# Altium PCB stm32F405RGT6 minisystem.PcbDoc
Units mil, origin at the board's own origin, x right, y up, seen from the top; angles counter-clockwise.
Board outline 1023.62 x 1377.95 mil, 4 copper layers (Top Layer, Power, GND, Bottom Layer), stack 23.756 mil thick; 31 components, 63 nets, 195 pads, 95 vias.
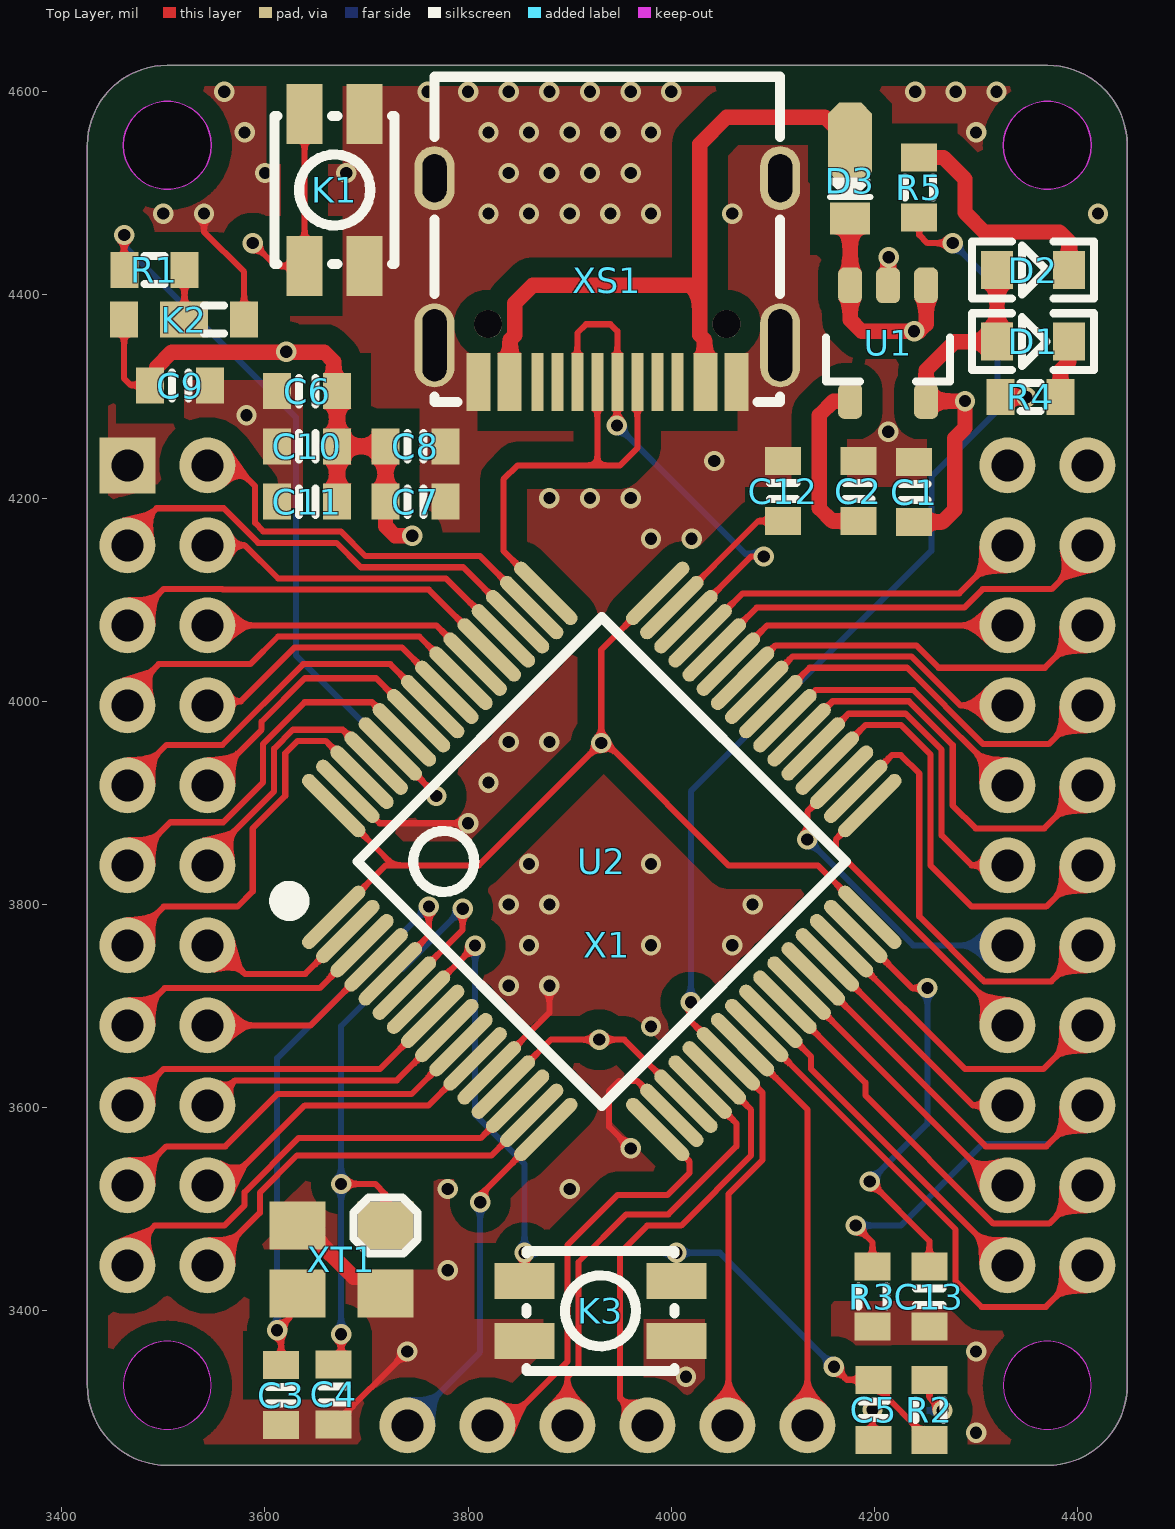
[diagram p0: Top Layer view]
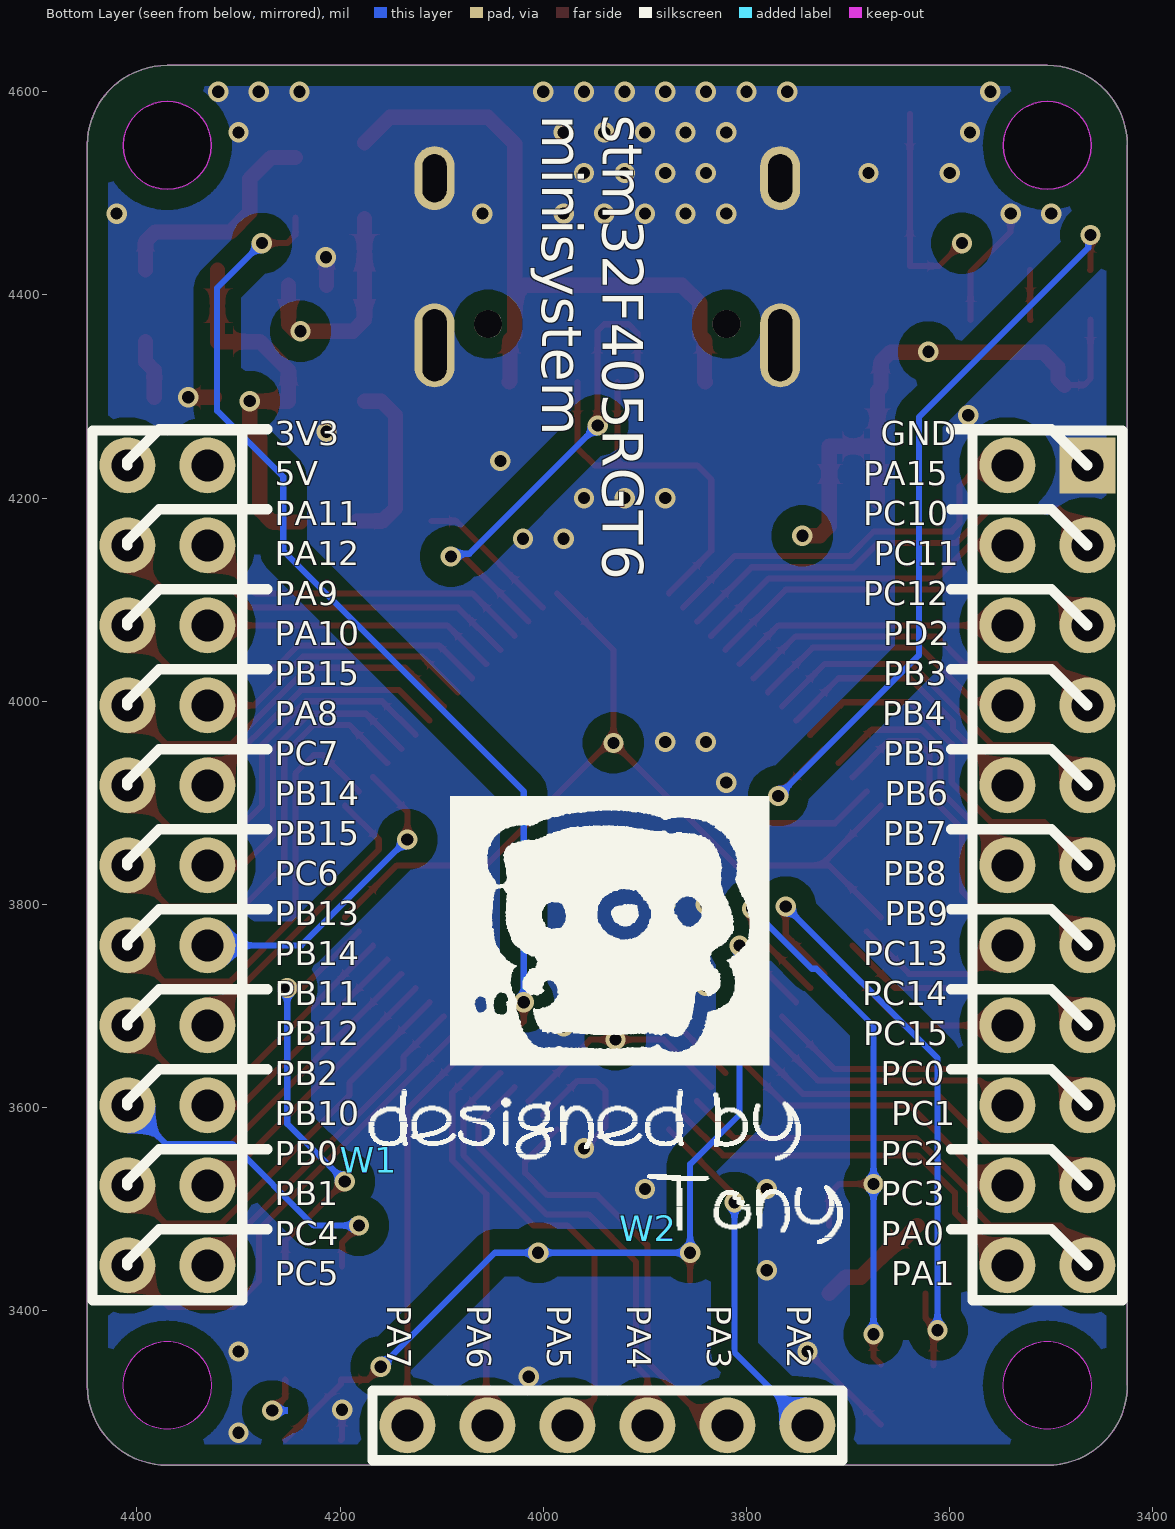
[diagram p1: Bottom Layer view, seen from below]
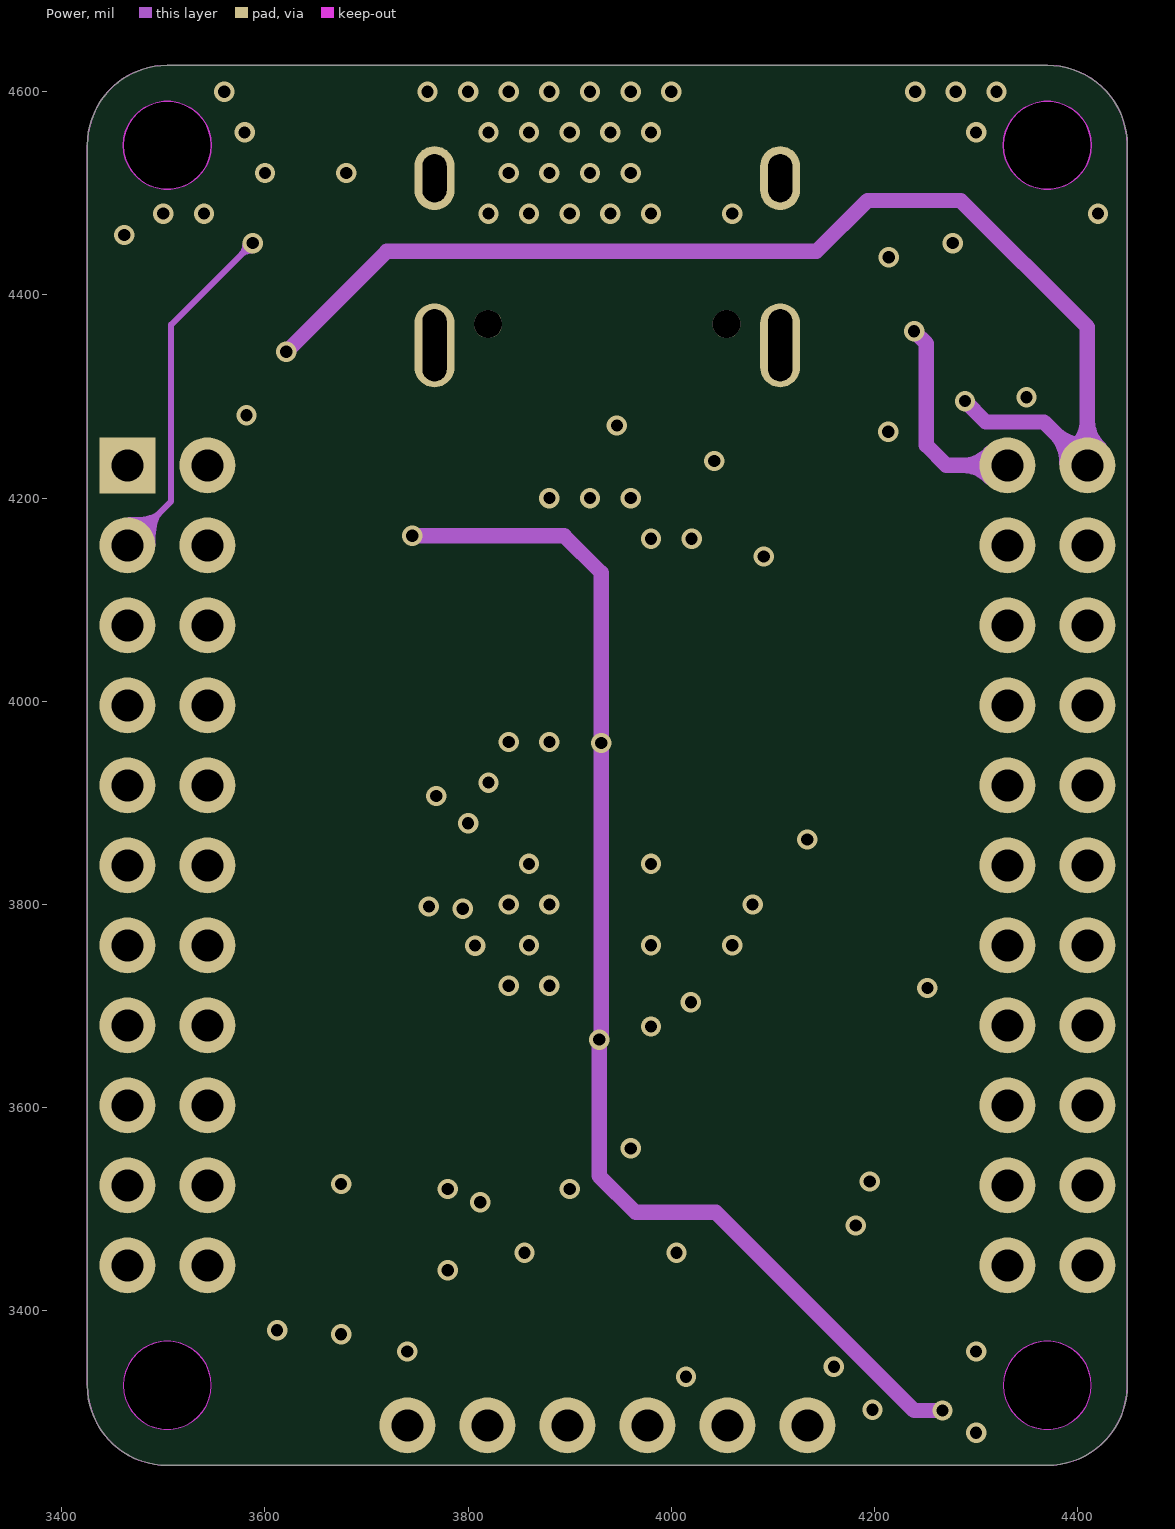
[diagram p2: Power]
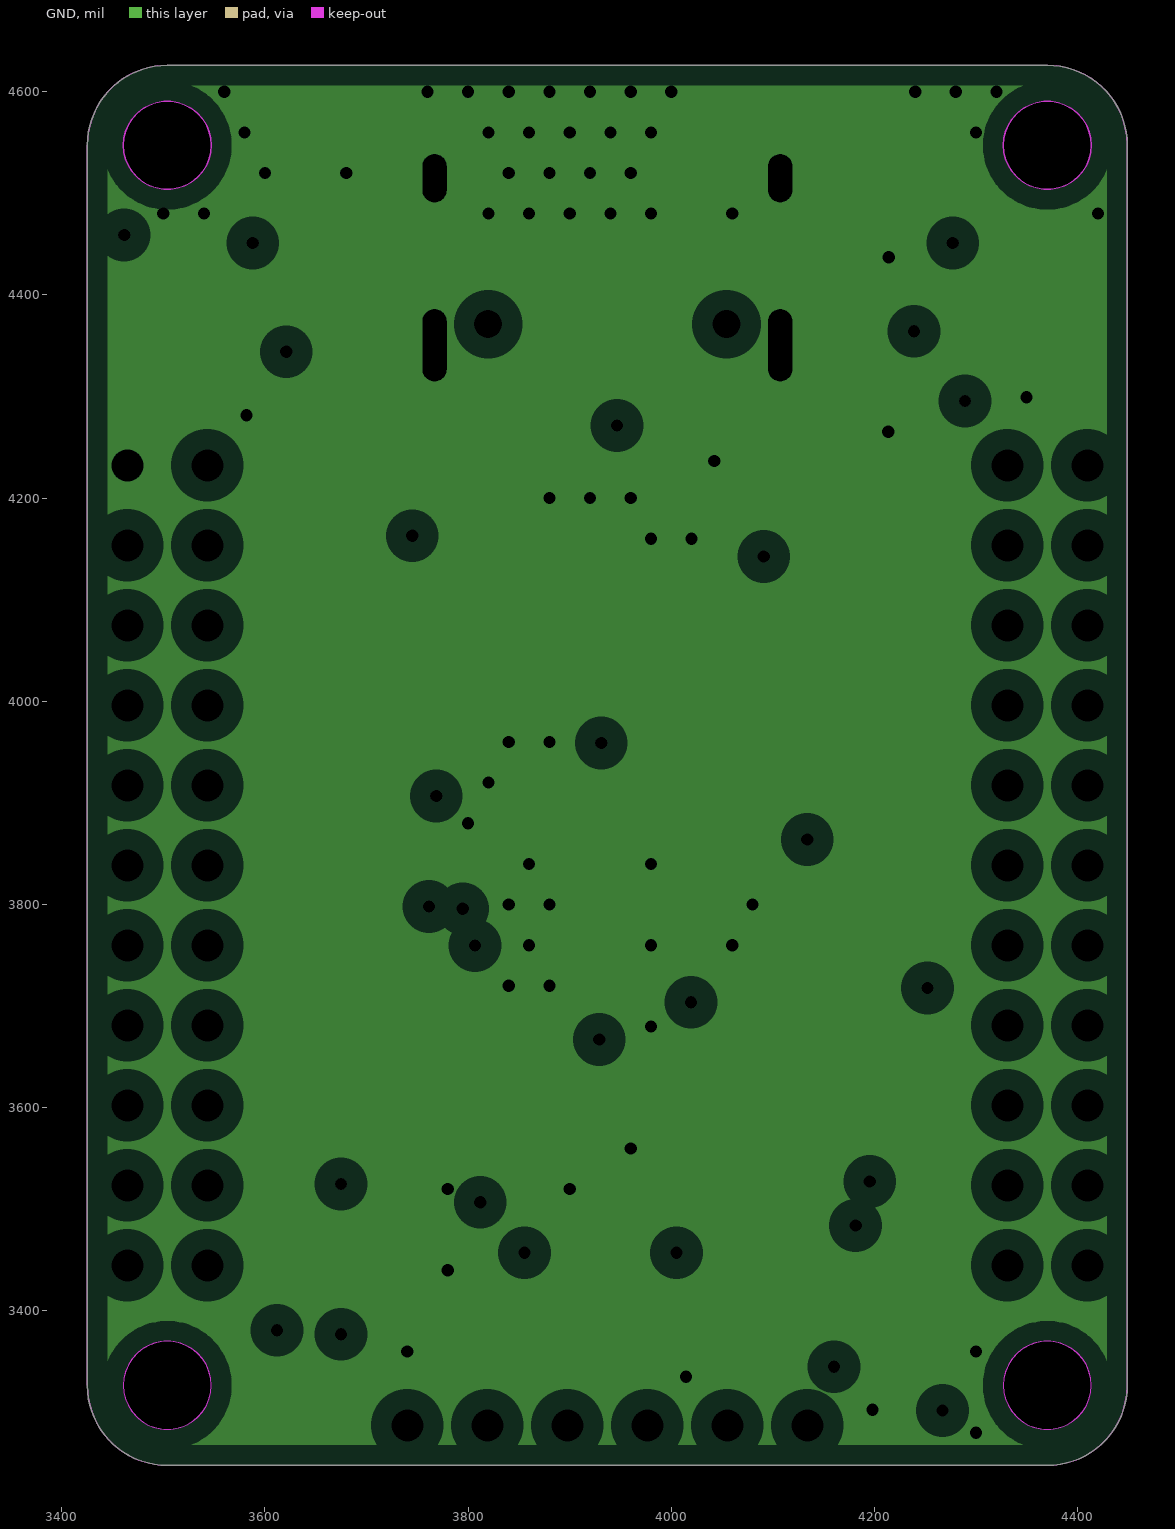
[diagram p3: GND, clearances drawn from the general rule]

## Layer stack, top to bottom
Top Solder: solder mask 0.4, Solder Resist, Dk 3.5
Top Layer: signal copper 1.4
Dielectric 2: prepreg 2.8, PP-006, Dk 4.1
Power: signal copper 1.378
Dielectric 1: dielectric 12.6, FR-4, Dk 4.8
GND: plane copper 1.378, net GND
Dielectric 3: prepreg 2.8, PP-006, Dk 4.1
Bottom Layer: signal copper 1.4
Bottom Solder: solder mask 0.4, Solder Resist, Dk 3.5

## Board outline
3425.2,3326.77 ccw(c3503.94,3326.77) 3503.94,3248.03 4370.08,3248.03 ccw(c4370.08,3326.77) 4448.82,3326.77 4448.82,4547.24 ccw(c4370.08,4547.24) 4370.08,4625.98 3503.94,4625.98 ccw(c3503.94,4547.24) 3425.2,4547.24
cut-out: 4370.08,4503.94 cw(c4370.08,4547.24) 4326.77,4547.24 cw(c4370.08,4547.24) 4370.08,4590.55 cw(c4370.08,4547.24) 4413.39,4547.24 cw(c4370.08,4547.24)
cut-out: 4326.77,3326.77 ccw(c4370.08,3326.77) 4370.08,3283.46 ccw(c4370.08,3326.77) 4413.39,3326.77 ccw(c4370.08,3326.77) 4370.08,3370.08 ccw(c4370.08,3326.77)
cut-out: 3460.63,3326.77 ccw(c3503.94,3326.77) 3503.94,3283.46 ccw(c3503.94,3326.77) 3547.24,3326.77 ccw(c3503.94,3326.77) 3503.94,3370.08 ccw(c3503.94,3326.77)
cut-out: 3503.94,4503.94 cw(c3503.94,4547.24) 3460.63,4547.24 cw(c3503.94,4547.24) 3503.94,4590.55 cw(c3503.94,4547.24) 3547.24,4547.24 cw(c3503.94,4547.24)

## Design rules (kind name [scope] priority, off if disabled: settings)
Clearance Clearance_2 [InNamedPolygon('GND_L04_P001')] p1: gap=20 ignorepadtopadclearanceinfootprint=TRUE
Clearance Clearance_1 [InNamedPolygon('GND_L01_P000')] p2: gap=20 ignorepadtopadclearanceinfootprint=TRUE
Clearance [All] p3: gap=5 ignorepadtopadclearanceinfootprint=TRUE
ComponentClearance [All] p1: gap=-10 collisioncheckmode=3 verticalgap=10 showdistances=FALSE
PlaneClearance [All] p1: clearance=20
PlaneConnect [All] p1: planeconnectstyle=Direct reliefexpansion=20 reliefentries=4 reliefconductorwidth=10 reliefairgap=10
PolygonConnect [All] p1: connectstyle=Direct reliefconductorwidth=10 reliefentries=4 polygonreliefangle="90 Angle" airgapwidth=10
RoutingVias [All] p1: holewidth=12 width=16 viastyle="Through Hole" minholewidth=10 minwidth=16 maxholewidth=28 maxwidth=50
SolderMaskExpansion [All] p1: expansion=4 istentingtop=FALSE
Width [All] p1: maxlimit=50 minlimit=6 preferedwidth=6
27 further rules are at their usual default settings.

## Components (designator, comment, footprint, x,y, rotation, side; value= is the part's Value field where it differs from the comment)
C1 "106" CAP_0603 4254,4206 r270 top
C2 "106" CAP_0603 4199,4207 r270 top
C3 "22p" CAP_0603 3601,3317 r90 top
C4 "22p" CAP_0603 3652.7,3317.76 r90 top
C5 "104" CAP_0603 4214,3302.71 r270 top
C6 "104" CAP_0603 3641.58,4290.37 r180 top
C7 "104" CAP_0603 3748.16,4211.59 r0 top
C8 "104" CAP_0603 3748.16,4265.98 r0 top
C9 "104" CAP_0603 3516.57,4325.84 r0 top
C10 "104" CAP_0603 3641.58,4235.98 r180 top
C11 "104" CAP_0603 3641.58,4181.59 r180 top
C12 "2u2" CAP_0603 4095,4207 r90 top
C13 "2u2" CAP_0603 4269,3414 r270 top
D1 "led" led0603 4358.06,4349.08 r0 top
D2 "led" led0603 4358.06,4419.53 r0 top
D3 "ss14" SOD-323 4176.03,4475 r90 top
K1 "TS1185/EC" TS-1185EC-X-X-X 3667.7,4503.94 r90 top
K2 "Boot0选择-默认GND" "Switch 1-2 0603" 3579.57,4375.6 r180 top
K3 "TS1185/EC" TS-1185EC-X-X-X 3931,3401 r0 top
R1 "10k" RES_0603 3491.3,4409.45 r180 top
R2 "10k" RES_0603 4239,3302.71 r90 top
R3 "10k" RES_0603 4213,3414 r270 top
R4 "3k" RES_0603 4353.51,4314.37 r0 top
R5 "3k" RES_0603 4229,4505.6 r90 top
U1 "ME6211 3V3" SOT23-5 4213.44,4350.39 r270 top
U2 "STM32F405RGT6" LQFP64 3693.79,3841.87 r45 top
W1 "设计于" "designed by（430-70）" 4171.58,3548.44 r180 bottom
W2 "Tony" Tony_2(200-70) 3896.5,3481.27 r180 bottom
X1 "STM32F405RGT6 V1_1 引脚" "STM32F405RGT6 V1_1引脚" 3937.01,3937.01 r0 top locked
XS1 "Type-C" TypeC-304-16BCP 3766.93,4350.39 r180 top locked
XT1 "8M" SMD3225_4p 3718.63,3484 r180 top

## Footprints (in the part's own frame and the unit in brackets; to place one, negate y for a bottom-side part, rotate by r counter-clockwise, add the part's x,y. Pads: shape width x height; smd on the part's side, far side on the other; paste and mask are expansions set on the pad)
CAP_0603 [mm]
  rect 0.7x0.9 smd: 1(-0.75,-0.381) 2(0.75,-0.381)
  silkscreen extent -0.2,-0.71 0.2,-0.05, body extent -0.8,-0.78 0.8,0.02, height 0.8
"designed by（430-70）" [mil]
  silkscreen extent 0,0 425,69
led0603 [mm]
  rect 0.8x0.95 smd: 1(-0.95,0.125) 2(0.85,0.125)
  silkscreen extent -1.57,-0.59 1.47,0.84, body extent -1.02,-0.4 1,0.67, height 0.5
LQFP64 [mm]
  oval 2.1x0.35 smd: 1(-1.448,-0.51) 2(-1.448,-1.01) 3(-1.448,-1.51) 4(-1.448,-2.01) 5(-1.448,-2.51) 6(-1.448,-3.01) 7(-1.448,-3.51) 8(-1.448,-4.01) 9(-1.448,-4.51) 10(-1.448,-5.01) 11(-1.448,-5.51) 12(-1.448,-6.01) 13(-1.448,-6.51) 14(-1.448,-7.01) 15(-1.448,-7.51) 16(-1.448,-8.01) 33(10.006,-8.01) 34(10.006,-7.51) 35(10.006,-7.01) 36(10.006,-6.51) 37(10.006,-6.01) 38(10.006,-5.51) 39(10.006,-5.01) 40(10.006,-4.51) 41(10.006,-4.01) 42(10.006,-3.51) 43(10.006,-3.01) 44(10.006,-2.51) 45(10.006,-2.01) 46(10.006,-1.51) 47(10.006,-1.01) 48(10.006,-0.51)
  oval 0.35x2.1 smd: 17(0.529,-9.987) 18(1.029,-9.987) 19(1.529,-9.987) 20(2.029,-9.987) 21(2.529,-9.987) 22(3.029,-9.987) 23(3.529,-9.987) 24(4.029,-9.987) 25(4.529,-9.987) 26(5.029,-9.987) 27(5.529,-9.987) 28(6.029,-9.987) 29(6.529,-9.987) 30(7.029,-9.987) 31(7.529,-9.987) 32(8.029,-9.987) 49(8.029,1.467) 50(7.529,1.467) 51(7.029,1.467) 52(6.529,1.467) 53(6.029,1.467) 54(5.529,1.467) 55(5.029,1.467) 56(4.529,1.467) 57(4.029,1.467) 58(3.529,1.467) 59(3.029,1.467) 60(2.529,1.467) 61(2.029,1.467) 62(1.529,1.467) 63(1.029,1.467) 64(0.529,1.467)
  silkscreen extent -2.19,-8.58 8.6,0.82, body extent -1.72,-10.26 10.28,1.74, height 1.45
RES_0603 [mm]
  rect 0.7x0.9 smd: 1(-0.75,-0.381) 2(0.75,-0.381)
  silkscreen extent -0.25,-0.73 0.25,-0.03, body extent -0.8,-0.78 0.8,0.02, height 0.45
SMD3225_4p [mm]
  rect 1.4x1.2 smd: 1(0,0) 2(2.2,0) 3(2.2,1.7) 4(0,1.7)
  round 0 smd: 1(0,0)
  silkscreen extent -0.8,-0.7 0.8,0.7, body extent -0.51,-0.41 2.69,2.09, height 0.81
SOD-323 [mm] "1.8x1.3X0.9mm（长宽高，不包括引脚）"
  oct 2x1.1 smd: 1(1.9,0)
  rect 0.8x1 smd: 2(0,0)
  silkscreen extent 0.55,-0.51 0.95,0.51, body extent -0.15,-0.67 2.5,0.62, height 1
SOT23-5 [mm] "SOT23, 3-Leads, Body 3.1x3.0mm (max), Pitch 0.95mm, IPC Medium Density"
  rrect50% 0.889x0.6 smd: 1(-1.5,0.95) 2(-1.5,0) 3(-1.5,-0.95) 4(1.396,-0.95) 5(1.396,0.95)
  silkscreen extent -0.2,-1.55 0.9,1.55, body extent -1.48,-1.45 1.32,1.45, height 1.2
"STM32F405RGT6 V1_1引脚" [mm] "PH2.0 版本"
  rect 1.4x1.4 hole 0.8: 1(-12,7.5)
  round 1.4 hole 0.8: 2(-10,7.5) 3(-12,5.5) 4(-10,5.5) 5(-12,3.5) 6(-10,3.5) 7(-12,1.5) 8(-10,1.5) 9(-12,-0.5) 10(-10,-0.5) 11(-12,-2.5) 12(-10,-2.5) 13(-12,-4.5) 14(-10,-4.5) 15(-12,-6.5) 16(-10,-6.5) 17(-12,-8.5) 18(-10,-8.5) 19(-12,-10.5) 20(-10,-10.5) 21(-12,-12.5) 22(-10,-12.5) 23(-5,-16.5) 24(-3,-16.5) 25(-1,-16.5) 26(1,-16.5) 27(3,-16.5) 28(5,-16.5) 29(12,-12.5) 30(10,-12.5) 31(12,-10.5) 32(10,-10.5) 33(12,-8.5) 34(10,-8.5) 35(12,-6.5) 36(10,-6.5) 37(12,-4.5) 38(10,-4.5) 39(12,-2.5) 40(10,-2.5) 41(12,-0.5) 42(10,-0.5) 43(12,1.5) 44(10,1.5) 45(12,3.5) 46(10,3.5) 47(12,5.5) 48(10,5.5) 49(12,7.5) 50(10,7.5)
  body extent -13,-17.5 13,8.5, height 1.8
"Switch 1-2 0603" [mm] "单刀双掷0603贴片选择开关"
  rect 0.7x0.9 smd: 1(0,0) 3(3,0)
  rect 1.2x0.9 smd: 2(1.5,0)
  silkscreen extent 0.5,-0.35 1,0.35, body extent -0.05,-0.4 1.55,0.4, height 0.45
Tony_2(200-70) [mil]
  silkscreen extent -1,-15 191,53
TS-1185EC-X-X-X [mm] "3*4*2 4PIN立贴按键"
  rect 1.5x0.9 smd: 1(-1.917,0.726) 1(1.883,0.726) 2(-1.917,-0.774) 2(1.883,-0.774)
  silkscreen extent -1.87,-1.52 1.83,1.48, body extent -2.36,-1.57 2.29,1.43, height 2
TypeC-304-16BCP [mm]
  oval 1x2.1 hole 0.6 slot 1.8 at 90 deg: 13(-8.64,0) 14(0,0)
  oval 1x1.6 hole 0.6 slot 1.2 at 90 deg: 15(-8.64,-4.18) 16(0,-4.18)
  rect 0.6x1.45 smd: A1B12(-7.545,0.915) A4B9(-6.77,0.915) B1A12(-1.1,0.915) B4A9(-1.87,0.915)
  rect 0.3x1.45 smd: A5(-5.57,0.914) A6(-4.57,0.915) A7(-4.07,0.915) A8(-3.07,0.915) B5(-2.57,0.915) B6(-3.57,0.915) B7(-5.07,0.915) B8(-6.07,0.915)
  round 0.7 hole 0.7 unplated: ""(-7.3,-0.53) ""(-1.34,-0.53)
  silkscreen extent -8.64,-6.71 0,1.42, body extent -8.77,-6.9 0.17,1, height 3.11

## Part data
C1 C2 C3 C4 C5 C6 C7 C8 C9 C10 C11 C12 C13: library part cap
D3: library part Diode
K1 K3: library part Button-LT-3040, "3*4*2 立贴轻触开关 2Pin/4Pin"
K2: library part "Switch 1-2", "单刀双掷1-2"
R1 R2 R3 R4 R5: library part Res
U1: library part ME6211, "LDO"
XS1: library part Type-C母口
XT1: library part XTAL-4P

## Via types
v1: diameter 20, hole 12, Top Layer to Bottom Layer, 95 vias

## Nets (pads, with @x,y where several pads share a name; then routed paths per layer and width w, separated by ;. In a path a pad name is that pad's centre, name@x,y a point inside that pad or via, vN(x,y) a via of type N, cw(c..) or ccw(c..) an arc to the next point about the centre after c; other vN are vias at no path point)
3v3: C1.2 C6.1 C7.1 C8.1 C9.1 C10.1 C11.1 D1.1 D2.1 K2.3 R2.2 U1.5 U2.1 U2.13 U2.19 U2.32 U2.48 U2.64 X1.49 | length 4559.8
  Top Layer w6: K2.3 3461.45,4317.62 3467.78,4311.3 3486.58,4311.3 C9.1 ; U2.1 3718.92,3838.58 3726.55,3838.58 ; U2.64 3726.55,3838.58 ; U2.13 3881.41,3667 v1(3929,3667) 3953.81,3667 U2.19 ; U2.48 3931,4050.66 v1(3931,3959) ; U2.32 4144.13,3838.58 4056.16,3838.58 3935.74,3959 v1(3931,3959) ; R2.2 4254,3314.83 v1(4266.87,3301.96) ; 3726.55,3838.58 3810.58,3838.58 v1(3931,3959)
  Top Layer w15: C9.1 3493.32,4317.12 3493.32,4328.73 3508.2,4343.61 3658.41,4343.61 3667.7,4334.32 3667.7,4308.78 C6.1 C10.1 ; C11.1 C10.1 ; v1(3745,4163) 3728,4163 3718.63,4172.37 C7.1 C8.1 C10.1 ; C1.2 4266.87,4176.47 4279.01,4188.62 4279.01,4259 4289,4268.99 v1(4289,4295.45) U1.5 4250.84,4325.84 4279.01,4354.01 D1.1 D2.1
  Power w15: v1(3621,4344) 3720,4443 4143,4443 4193,4493 4284.77,4493 4409.45,4368.32 X1.49 4366.73,4275 4309.45,4275 v1(4289,4295.45) ; v1(3745,4163) 3894.51,4163 3931,4126.51 v1(3931,3959) 3931,3669 v1(3929,3667) 3929,3533 3965,3497 4044,3497 4239.04,3301.96 v1(4266.87,3301.96)
BOOT0: R1.2 U2.60 | length 779.1
  Top Layer w6: v1(3461.46,4459) 3461.46,4424.76 R1.2 ; U2.60 3768.71,3907.77 v1(3768.71,3906.89)
  Bottom Layer w6: v1(3461.46,4459) 3463.67,4456.8 3463.67,4446.33 3630.42,4279.58 3630.42,4045.18 v1(3768.71,3906.89)
GND: C1.1 C2.1 C3.1 C4.1 C5.2 C6.2 C7.2 C8.2 C9.2 C10.2 C11.2 C12.2 C13.2 K1.2 K2.1 K3.2 R3.2 R4.1 U1.2 U2.12 U2.18 U2.63 X1.1 XS1.13 XS1.14 XS1.15 XS1.16 XS1.A1B12 XS1.B1A12 XT1.2 XT1.4 | length 807.3
  Top Layer w6: v1(3540,4480) 3540,4462.19 3579.57,4422.63 K2.1 ; C4.1 3668.23,3288.23 v1(3740,3360) ; U2.63 3712.97,3880 v1(3800,3880) ; U2.12 3880,3693.43 v1(3880,3720) ; v1(3960,3560) 3938.72,3581.28 3938.72,3616.48 3948.64,3626.41 3966.56,3626.41 U2.18 ; v1(4198,3302.71) 4198,3274.18 C5.2
  Top Layer w15: XT1.2 3648.13,3467.88 3652.54,3467.88 3687.22,3433.2 3702.5,3433.2 XT1.4 ; U1.2 4213.44,4436.44 v1(4214,4437) ; R4.1 v1(4349.57,4299.37)
  other v1: 4300,3280 4014.4,3335.22 4300,3360 3780,3440 3780,3520 3900,3520 3980,3680 3840,3720 3860,3760 3980,3760 4060,3760 3840,3800 3880,3800 4080,3800 3860,3840 3980,3840 3820,3920 3840,3960 3880,3960 3980,4160 4020,4160 3880,4200 3920,4200 3960,4200 4042.24,4236.53 4213.44,4265.38 3581.79,4281.53 3500,4480 3820,4480 3860,4480 3900,4480 3940,4480 3980,4480 4060,4480 4420,4480 3600,4520 3680,4520 3840,4520 3880,4520 3920,4520 3960,4520 3580,4560 3820,4560 3860,4560 3900,4560 3940,4560 3980,4560 4300,4560 3560,4600 3760,4600 3800,4600 3840,4600 3880,4600 3920,4600 3960,4600 4000,4600 4240,4600 4280,4600 4320,4600
NetC2_2: C2.2 U1.4 | length 171.3
  Top Layer w15: U1.4 4159.52,4295.45 4145.6,4281.53 4145.6,4190 4158.12,4177.47 C2.2
NetC3_2: C3.2 U2.5 XT1.3 | length 638.1
  Top Layer w6: C3.2 3616,3377 v1(3612,3381) 3624,3393 XT1.3@3624,3417.07 ; U2.5 3761.36,3769.66 v1(3761.36,3798)
  Bottom Layer w6: v1(3612,3381) 3612,3648.64 v1(3761.36,3798)
NetC4_2: C4.2 U2.6 XT1.1 | length 684.2
  Top Layer w6: C4.2 3675,3354.59 v1(3675,3377) ; v1(3675,3525) 3708.63,3525 3718.63,3515 XT1.1@3718.63,3484 ; U2.6 3794.65,3775.11 v1(3794.65,3795.85)
  Bottom Layer w6: v1(3675,3377) v1(3675,3525) 3675,3680.43 3731.37,3736.8 3735.59,3736.8 v1(3794.65,3795.85)
NetC5_1: C5.1 K3.1 R2.1 U2.7 | length 906.6
  Top Layer w6: U2.7 v1(3806.89,3759.52) ; K3.1@3855.53,3429.59 v1(3855.53,3457.26) ; v1@4159.52,3345.5 4172.77,3332.24 C5.1 4199,3328.18 R2.1
  Bottom Layer w6: v1(3806.89,3759.52) 3806.89,3593.11 3855.53,3544.47 v1(3855.53,3457.26) v1(4005.13,3457.26) 4047.74,3457.26 v1(4160,3345)
NetC12_1: C12.1 U2.47 | length 144.8
  Top Layer w6: U2.47 4085.65,4177.47 C12.1
NetC13_1: C13.1 U2.31 | length 415.6
  Top Layer w6: U2.31 4237.11,3717.76 v1(4252,3717.76) ; v1(4195.36,3527.44) 4254,3468.8 C13.1
  Bottom Layer w6: v1(4195.36,3527.44) 4252,3584.09 v1(4252,3717.76)
NetD1_2: D1.2 R4.2 | length 58.2
  Top Layer w15: R4.2 4383.03,4325.84 4391.52,4334.32 D1.2
NetD2_2: D2.2 R5.2 | length 229.1
  Top Layer w15: R5.2 4267.87,4535.13 4289,4514 4289,4481 4308,4462 4382,4462 4391.52,4452.48 D2.2
NetD3_1: D3.1 XS1.A4B9 XS1.B4A9 | length 678.4
  Top Layer w15: XS1.B4A9 3841.34,4315.16 3841.34,4355.76 3845.96,4360.38 3845.96,4391.88 3863.53,4409.45 4019.27,4409.45 4028.05,4400.66 ; XS1.A4B9 4032.76,4315.09 4032.76,4355.84 4028.05,4360.54 4028.05,4400.66 ; D3.1 4150.99,4574.85 4054.33,4574.85 4028.05,4548.57 4028.05,4400.66
NetK2_2: K2.2 R1.1 | length 49
  Top Layer w6: K2.2 3520.83,4375.92 R1.1
PA0: U2.14 X1.21 | length 465.9
  Top Layer w6: X1.21 3464.57,3457.26 3491.3,3484 3560,3484 3580,3504 3580,3517 3633,3570 3812.25,3570 U2.14
PA1: U2.15 X1.22 | length 392
  Top Layer w6: X1.22 3595,3496.57 3595,3516.44 3631.56,3553 3823.09,3553 U2.15
PA2: U2.16 X1.23 | length 347.6
  Top Layer w6: v1(3811.87,3507) 3811.87,3513.95 U2.16
  Bottom Layer w6: X1.23 3811.87,3359.12 v1(3811.87,3507)
PA3: U2.17 X1.24 | length 424.8
  Top Layer w6: X1.24 3834.99,3287.4 3897.64,3350.05 3897.64,3464.73 3946.85,3513.95 3995.95,3513.95 4018,3536 4018,3547.13 U2.17
PA4: U2.20 X1.25 | length 440.9
  Top Layer w6: X1.25 3897.64,3334.5 3908.64,3345.5 3908.64,3448.14 3955.5,3495 3996.98,3495 4063.98,3562 4063.98,3584.67 U2.20
PA5: U2.21 X1.26 | length 446.1
  Top Layer w6: X1.26 3949.56,3314.22 3949.56,3457.43 3976.13,3484 4009.6,3484 4078.6,3553 4078.6,3597.88 U2.21
PA6: R5.1 U2.22 X1.27 | length 1403.6
  Top Layer w6: v1(4019.27,3703.84) 4019.27,3685.06 U2.22 4089.6,3614.72 4089.6,3548.44 4056.16,3515 4056.16,3288.44 X1.27 ; R5.1 4244,4459 4252,4451 v1(4277,4451)
  Bottom Layer w6: v1(4019.27,3703.84) 4019.27,3911.27 4256,4148 4256,4221 4321,4286 4321,4407 v1(4277,4451)
PA7: U2.23 X1.28 | length 401.1
  Top Layer w6: U2.23 4133.86,3598.3 X1.28
PA8: U2.41 X1.44 | length 281.2
  Top Layer w6: U2.41 4119.21,4044 4236.56,4044 4284.5,3996.06 X1.44
PA9: U2.42 X1.45 | length 379.2
  Top Layer w6: U2.42 4102.38,4055 4241.11,4055 4263.11,4033 4367.65,4033 X1.45
PA10: U2.43 X1.46 | length 290.4
  Top Layer w6: U2.43 4094.34,4074.8 X1.46
PA11: U2.44 X1.47 | length 414.6
  Top Layer w6: U2.44 4084,4092.3 4288.3,4092.3 4306.36,4110.36 4374.34,4110.36 4409.45,4145.47 X1.47
PA12: U2.45 X1.48 | length 339.3
  Top Layer w6: U2.45 4070.08,4106.22 4283.39,4106.22 X1.48
PA15: U2.50 X1.2 | length 416.1
  Top Layer w6: X1.2@3543,4213 X1.2@3543,4230 ; X1.2@3543,4232 3570,4232 3590.27,4211.73 3590.27,4175.56 3598,4167.83 3598,4167 3675,4167 3699,4143 3811.87,4143 U2.50
PB0: U2.26 X1.31 | length 410.9
  Top Layer w6: U2.26 4190.93,3624.75 4190.93,3612.07 4317,3486 4371.83,3486 X1.31
PB1: U2.27 X1.32 | length 285.4
  Top Layer w6: U2.27 4319.89,3523.62 X1.32
PB2: R3.1 U2.28 X1.33 | length 681.1
  Top Layer w6: U2.28 4309.36,3562 4369.09,3562 X1.33 ; v1(4181.44,3484) 4198,3467.44 R3.1
  Bottom Layer w6: v1(4181.44,3484) 4225.87,3484 4305.87,3564 4371.09,3564 X1.33
PB3: U2.55 X1.7 | length 379.1
  Top Layer w6: X1.7 3464.57,4005.7 3495.49,4036.62 3585.71,4036.62 3612.89,4063.8 3751.87,4063.8 U2.55
PB4: U2.56 X1.8 | length 277.5
  Top Layer w6: X1.8 3547.33,4000.09 3576.35,4000.09 3629.07,4052.8 3735.04,4052.8 U2.56
PB5: U2.57 X1.9 | length 368
  Top Layer w6: X1.9 3464.57,3918.57 3503,3957 3558,3957 3637.62,4036.62 3723.38,4036.62 U2.57
PB6: U2.58 X1.10 | length 274.4
  Top Layer w6: X1.10 3543.31,3918.82 3596.71,3972.22 3596.71,3980.15 3639.26,4022.7 3709.46,4022.7 U2.58
PB7: U2.59 X1.11 | length 374.7
  Top Layer w6: X1.11 3506.98,3881 3559,3881 3598,3920 3598,3957.96 3639.11,3999.07 3705.25,3999.07 U2.59
PB8: U2.61 X1.12 | length 263.8
  Top Layer w6: X1.12 3543.31,3845.75 3609,3911.44 3609,3953.4 3627.61,3972.01 3676.64,3972.01 U2.61
PB9: U2.62 X1.13 | length 391.3
  Top Layer w6: X1.13 3464.57,3762.21 3500.35,3798 3573,3798 3588,3813 3588,3874.89 3620,3906.89 3620,3948.84 3632.16,3961.01 3659.8,3961.01 U2.62
PB10: U2.29 X1.34 | length 236.4
  Top Layer w6: U2.29 4296.83,3602.36 X1.34
PB11: U2.30 X1.35 | length 310.2
  Top Layer w6: U2.30 4289.11,3637.92 4366.27,3637.92 X1.35
PB12: U2.33 X1.36 | length 300
  Top Layer w6: U2.33 4162,3864.07 4162,3854 4330.71,3685.29 X1.36
PB13: U2.34 X1.37 | length 432.2
  Top Layer w6: U2.34 4217.09,3947 4226,3947 4244,3929 4244,3788.27 4306.18,3726.08 4307.94,3724.32 4329.02,3724.32 ccw(c4330.71,3759.84) 4332.4,3724.32 4373.93,3724.32 X1.37
PB14: U2.35 X1.38 | length 315.2
  Top Layer w6: v1(4133.86,3864.07) 4133.86,3891.61 U2.35
  Bottom Layer w6: v1(4133.86,3864.07) 4238.09,3759.84 X1.38
PB15: U2.36 X1.39 | length 426.3
  Top Layer w6: U2.36 4191.19,3976.78 4226,3976.78 4255,3947.78 4255,3838.58 4295.58,3798 4368.91,3798 X1.39@4409.45,3838.54
PC0: U2.8 X1.17 | length 336.8
  Top Layer w6: X1.17 3500.13,3637.92 3713.14,3637.92 U2.8
PC1: U2.9 X1.18 | length 266.2
  Top Layer w6: X1.18 3545.89,3602.36 3570.45,3626.92 3729.97,3626.92 U2.9
PC2: U2.10 X1.19 | length 385.8
  Top Layer w6: X1.19 3502.95,3562 3560.91,3562 3612.27,3613.36 3744.25,3613.36 U2.10
PC3: U2.11 X1.20 | length 315.2
  Top Layer w6: X1.20 3560.62,3523.62 3639.36,3602.36 3761.09,3602.36 U2.11
PC4: U2.24 X1.29 | length 484.7
  Top Layer w6: U2.24 4279.72,3480.28 4279.72,3429.59 4305.3,3404 4368.57,3404 X1.29
PC5: U2.25 X1.30 | length 341.5
  Top Layer w6: U2.25 4137.67,3650.17 4137.67,3637.92 X1.30
PC6: U2.37 X1.40 | length 316.6
  Top Layer w6: U2.37 4174.35,3987.78 4230.56,3987.78 4266,3952.33 4266,3868.12 4295.58,3838.54 4295.63,3838.58 X1.40
PC7: U2.38 X1.41 | length 401.7
  Top Layer w6: U2.38 4158.82,4000.09 4233.8,4000.09 4277,3956.89 4277,3897.43 4299.54,3874.89 4367.01,3874.89 X1.41
PC8: U2.39 X1.42 | length 271
  Top Layer w6: U2.39 4141.98,4011.09 4238.36,4011.09 4330.71,3918.74 X1.42
PC9: U2.40 X1.43 | length 374.2
  Top Layer w6: U2.40 4136.05,4033 4232,4033 4307.05,3957.96 4371.34,3957.96 X1.43
PC10: K1.1 U2.51 X1.3 | length 1008.6
  Top Layer w6: X1.3 3464.57,4161.25 3493.32,4190 3559.44,4190 3593.44,4156 3670.44,4156 3694.44,4132 3795.03,4132 U2.51 ; v1(3588,4451) 3610.54,4428.46 3639.11,4428.46 K1.1@3639.11,4578.06
  Power w6: X1.3 3507.75,4196.72 3507.75,4370.75 v1(3588,4451)
PC11: U2.52 X1.4 | length 328.3
  Top Layer w6: X1.4 3580.34,4153.54 3612.89,4121 3778.19,4121 U2.52
PC12: U2.53 X1.5 | length 395.8
  Top Layer w6: X1.5 3500.13,4110.36 3558.04,4110.36 3558.4,4110 3761.36,4110 U2.53
PC13: U2.2 X1.14 | length 167.3
  Top Layer w6: X1.14 3552.18,3759.84 3580.34,3731.68 3639.86,3731.68 U2.2
PC14: U2.3 X1.15 | length 263.4
  Top Layer w6: X1.15 3501.22,3717.76 3653.78,3717.76 U2.3
PC15: U2.4 X1.16 | length 192.9
  Top Layer w6: X1.16 3644.96,3681.1 U2.4
PD2: U2.54 X1.6 | length 279.4
  Top Layer w6: X1.6 3768.71,4074.8 U2.54
SWCLK: U2.49 XS1.A7 XS1.B7 | length 421.2
  Top Layer w6: U2.49 3834.73,4147.98 3834.73,4218.36 3848.65,4232.28 3927.17,4232.28 ; XS1.A7 3927.17,4232.28 ; XS1.B7 3966.54,4249.26 3949.56,4232.28 3927.17,4232.28
SWDIO: U2.46 XS1.A6 XS1.B6 | length 488
  Top Layer w6: XS1.B6 3907.48,4362.54 3916.06,4371.12 3940.02,4371.12 3946.85,4364.28 XS1.A6 3946.65,4314.17 3946.65,4271.77 v1(3946.44,4271.56) ; U2.46 4078.6,4142.58 v1(4091.02,4142.58)
  Bottom Layer w6: v1(3946.44,4271.56) 4072.74,4145.26 4088.34,4145.26 v1(4091.02,4142.58)
VDD_5V: D3.2 U1.1 U1.3 X1.50 | length 425.2
  Top Layer w15: D3.2 U1.3 4176.03,4375.6 4187.36,4364.28 v1(4239,4364.28) 4244,4364.28 4250.84,4371.12 U1.1
  Power w15: v1(4239,4364.28) 4251,4352.28 4251,4252 4270.72,4232.28 X1.50
pads on no net: XS1. XS1.A5 XS1.A8 XS1.B5 XS1.B8

## Polygon pours and split planes (outlines as drawn)
GND on Top Layer "GND_L01_P000" (solid, remove dead copper, pour order 0): 3425.2,3326.77 ccw(c3503.94,3326.77) 3503.94,3248.03 4370.08,3248.03 ccw(c4370.08,3326.77) 4448.82,3326.77 4448.82,4547.24 ccw(c4370.08,4547.24) 4370.08,4625.98 3503.94,4625.98 ccw(c3503.94,4547.24) 3425.2,4547.24
GND on Bottom Layer "GND_L04_P001" (solid, remove dead copper, pour order 1): 3425.2,3326.77 ccw(c3503.94,3326.77) 3503.94,3248.03 4370.08,3248.03 ccw(c4370.08,3326.77) 4448.82,3326.77 4448.82,4547.24 ccw(c4370.08,4547.24) 4370.08,4625.98 3503.94,4625.98 ccw(c3503.94,4547.24) 3425.2,4547.24
GND on GND (split plane): 231 vertices, not listed, extent 3445.29,3268.13 4428.72,4605.89

## Keep-outs
Keep-Out Layer:
  circle w0.5: c3503.94,4547.24 r43.31
  circle w0.5: c4370.08,4547.24 r43.31
  circle w0.5: c4370.08,3326.77 r43.31
  circle w0.5: c3503.94,3326.77 r43.31
  lines w0.5: 3425.2,3326.77 ccw(c3503.94,3326.77) 3503.94,3248.03 4370.08,3248.03 ccw(c4370.08,3326.77) 4448.82,3326.77 4448.82,4547.24 ccw(c4370.08,4547.24) 4370.08,4625.98 3503.94,4625.98 ccw(c3503.94,4547.24) 3425.2,4547.24 3425.2,3326.77

## Silkscreen, mask and mechanical layers (free items; w line width, h text height)
Bottom Overlay:
  drawing of 14 lines, arcs and shapes, not listed
  text "stm32F405RGT6 / minisystem" at 4001.26,4577.23 h40 r90
Mechanical 1:
  circle w0.5: c3503.94,4547.24 r43.31
  circle w0.5: c4370.08,4547.24 r43.31
  circle w0.5: c4370.08,3326.77 r43.31
  circle w0.5: c3503.94,3326.77 r43.31
  lines w0.5: 3425.2,3326.77 ccw(c3503.94,3326.77) 3503.94,3248.03 4370.08,3248.03 ccw(c4370.08,3326.77) 4448.82,3326.77 4448.82,4547.24 ccw(c4370.08,4547.24) 4370.08,4625.98 3503.94,4625.98 ccw(c3503.94,4547.24) 3425.2,4547.24 3425.2,3326.77

## Text inside footprints (layer, text, board x,y; h text height)
X1: Bottom Overlay "PC12" at 3685.04,4094.49 h23.62; Bottom Overlay "PC11" at 3674.92,4133.86 h23.62; Bottom Overlay "PB4" at 3666.37,3976.38 h23.62; Bottom Overlay "PD2" at 3665.25,4055.12 h23.62; Bottom Overlay "PB3" at 3665.25,4015.75 h23.62; Bottom Overlay "PB5" at 3665.25,3937.01 h23.62; Bottom Overlay "PB6" at 3664.12,3897.64 h23.62; Bottom Overlay "PB7" at 3665.25,3858.27 h23.62; Bottom Overlay "PC13" at 3685.04,3740.16 h23.62; Bottom Overlay "PB9" at 3664.12,3779.53 h23.62; Bottom Overlay "PB8" at 3665.25,3818.9 h23.62; Bottom Overlay "PC14" at 3686.16,3700.79 h23.62; Bottom Overlay "PC15" at 3685.04,3661.42 h23.62; Bottom Overlay "PC0" at 3667.72,3622.05 h23.62; Bottom Overlay "PC1" at 3657.6,3582.68 h23.62; Bottom Overlay "PC2" at 3667.72,3543.31 h23.62; Bottom Overlay "PC3" at 3667.72,3503.94 h23.62; Bottom Overlay "PA0" at 3667.72,3464.57 h23.62; Bottom Overlay "PA1" at 3657.6,3425.2 h23.62; Bottom Overlay "PC7" at 4264.58,3937.01 h23.62; Bottom Overlay "PC6" at 4264.58,3818.9 h23.62; Bottom Overlay "PB14" at 4264.58,3897.64 h23.62; Bottom Overlay "PB15" at 4264.58,3858.27 h23.62; Bottom Overlay "PB1" at 4264.58,3503.94 h23.62; Bottom Overlay "PB2" at 4264.58,3622.05 h23.62; Bottom Overlay "PB0" at 4264.58,3543.31 h23.62; Bottom Overlay "PB11" at 4264.58,3700.79 h23.62; Bottom Overlay "PB12" at 4264.58,3661.42 h23.62; Bottom Overlay "PB10" at 4264.58,3582.68 h23.62; Bottom Overlay "PB14" at 4264.58,3740.16 h23.62; Bottom Overlay "PB13" at 4264.58,3779.53 h23.62; Bottom Overlay "PC4" at 4264.58,3464.57 h23.62; Bottom Overlay "5V" at 4264.58,4212.6 h23.62; Bottom Overlay "3V3" at 4264.58,4251.97 h23.62; Bottom Overlay "PA9" at 4264.58,4094.49 h23.62; Bottom Overlay "PA11" at 4264.58,4173.23 h23.62; Bottom Overlay "PA8" at 4264.58,3976.38 h23.62; Bottom Overlay "PB15" at 4264.58,4015.75 h23.62; Bottom Overlay "PA10" at 4264.58,4055.12 h23.62; Bottom Overlay "PA12" at 4264.58,4133.86 h23.62; Bottom Overlay "PA15" at 3685.04,4212.6 h23.62; Bottom Overlay "PC10" at 3685.04,4173.23 h23.62; Bottom Overlay "GND" at 3667.72,4251.97 h23.62; Bottom Overlay "PC5" at 4264.58,3425.2 h23.62; Bottom Overlay "PA4" at 3917.32,3405.51 h23.62 r90; Bottom Overlay "PA7" at 4153.54,3405.51 h23.62 r90; Bottom Overlay "PA5" at 3996.06,3405.51 h23.62 r90; Bottom Overlay "PA3" at 3838.58,3405.51 h23.62 r90; Bottom Overlay "PA2" at 3759.84,3405.51 h23.62 r90; Bottom Overlay "PA6" at 4074.8,3405.51 h23.62 r90